# Altium PCB 脑电采集板V5.0.PcbDoc (part 2 of 2)
Units mm, origin at the board's own origin, x right, y up, seen from the top; angles counter-clockwise.
Board outline 80 x 70 mm, 4 copper layers (Top Layer, GND, PWR, Bottom Layer), stack 0.778 mm thick; 160 components, 123 nets, 701 pads, 386 vias.
Unrouted connection lines stored in the file: 114.
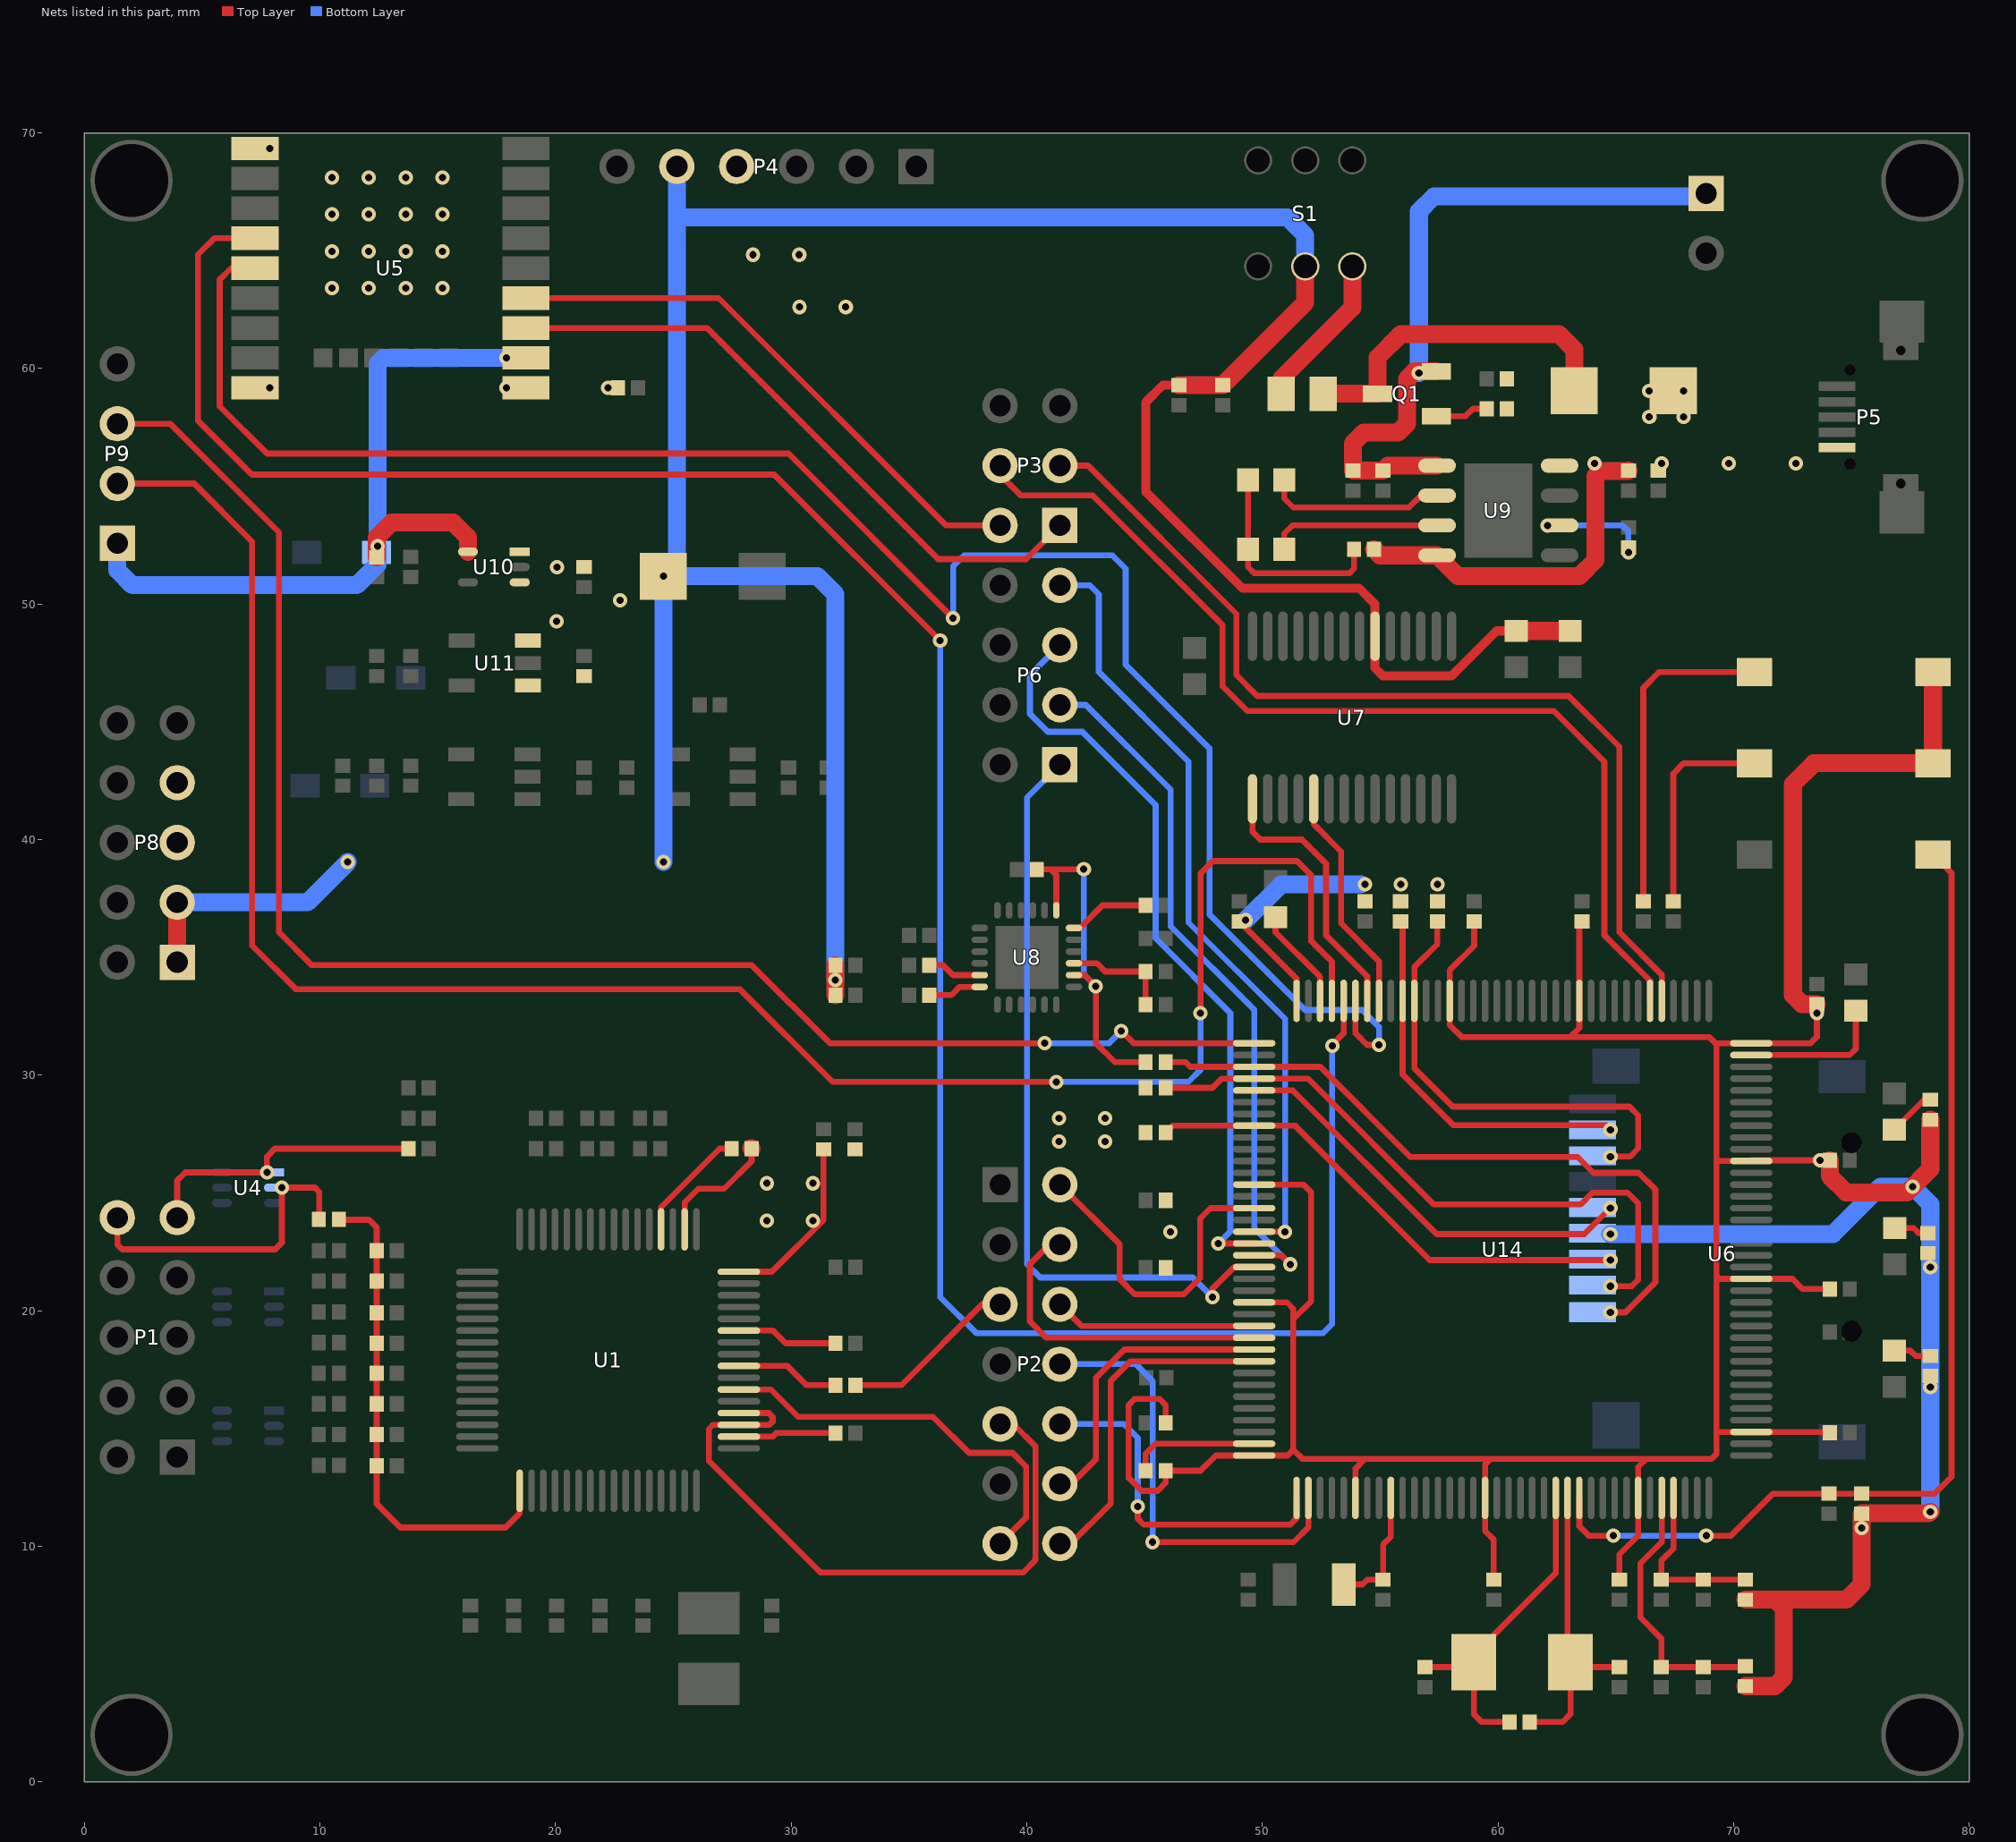
[diagram p4: the nets of this part, all layers, seen from the top]

## Via types
v1: diameter 0.61, hole 0.305, Top Layer to Bottom Layer, tented both sides, 386 vias

## Nets (pads, with @x,y where several pads share a name; then routed paths per layer and width w, separated by ;. In a path a pad name is that pad's centre, name@x,y a point inside that pad or via, vN(x,y) a via of type N, cw(c..) or ccw(c..) an arc to the next point about the centre after c; other vN are vias at no path point) (continued)
NetC53_2: C53.2 U14.9 Y1.2 | length 5.4
  Top Layer w0.254: Y1.2@53.447,8.382 54.248,8.382 54.448,8.582 C53.2@55.118,8.582 55.118,10.068 55.448,10.398 U14.9@55.448,12.056
NetC54_2: C54.2 R38.1 U14.23 Y2.1 | length 14.4
  Top Layer w0.254: C54.2@56.896,4.87 58.764,4.87 Y2.1@58.974,5.08 ; R38.1@60.491,2.54 59.309,2.54 58.974,2.875 Y2.1@58.974,5.08 ; U14.23@62.448,12.056 62.448,8.854 58.974,5.38 Y2.1@58.974,5.08
NetC55_2: C55.2 R38.2 U14.24 Y2.2 | length 13.3
  Top Layer w0.254: R38.2@61.341,2.54 62.738,2.54 63.074,2.876 Y2.2@63.074,5.08 ; U14.24@62.948,12.056 62.948,5.206 Y2.2@63.074,5.08 ; C55.2@65.151,4.87 63.284,4.87 Y2.2@63.074,5.08
NetC56_1: C56.1 C57.1 R40.2 U14.33 | length 7.2
  Top Layer w0.254: U14.33@67.448,12.056 67.448,9.906 66.932,9.39 C57.1@66.932,8.582 R40.2@70.494,8.582
NetC59_2: C59.2 U14.106 | length 4.3
  Top Layer w0.254: C59.2@50.554,36.703 50.554,36.06 52.448,34.166 U14.106@52.448,33.156
NetC62_2: C62.2 U14.71 | length 6.2
  Top Layer w0.254: U14.71@70.748,30.856 74.9,30.856 74.905,30.861 74.93,30.861 75.184,31.115 C62.2@75.184,32.738
NetD1_2: D1.2 F1.1 Q1.3 | length 14.6
  Top Layer w0.762: F1.1@52.579,58.928 Q1.3@54.884,58.928 54.884,60.472 55.88,61.468 62.575,61.468 63.237,60.806 D1.2@63.237,59.055
NetD2_A: D2.A D3.A R33.1 | length 9.2
  Top Layer w0.254: D3.A@49.387,55.272 D2.A@49.387,52.324 49.387,51.578 49.657,51.308 53.689,51.308 53.887,51.506 R33.1@53.887,52.324
NetD2_K: D2.K U9.7 | length 7.3
  Top Layer w0.254: D2.K@50.927,52.324 50.927,53 51.267,53.34 U9.7@57.412,53.34
NetD3_K: D3.K U9.6 | length 7.6
  Top Layer w0.254: D3.K@50.927,55.272 50.927,54.483 51.308,54.102 56.216,54.102 56.724,54.61 U9.6@57.412,54.61
NetD8_A: D8.A R35.2 | length 1.5
  Top Layer w0.254: D8.A@76.835,23.511 77.645,23.511 77.863,23.293 R35.2@78.244,23.293
NetD9_A: D9.A R36.2 | length 1.6
  Top Layer w0.254: D9.A@76.823,18.304 77.5,18.304 77.724,18.08 R36.2@78.347,18.08
NetD10_A: D10.A R37.2 | length 2
  Top Layer w0.254: D10.A@76.823,27.689 78.092,28.958 R37.2@78.347,28.958
NetF1_2: F1.2 S1.1 | length 6.7
  Top Layer w0.762: F1.2@50.799,58.928 50.799,59.562 53.816,62.579 S1.1@53.816,64.334
NetKEY1_2: KEY1.2 R42.1 | length 14.1
  Top Layer w0.254: R42.1@66.167,37.382 66.167,46.443 66.841,47.117 KEY1.2@70.891,47.117
NetKEY2_2: KEY2.2 R44.1 | length 9.1
  Top Layer w0.254: R44.1@67.437,37.381 67.437,42.799 67.881,43.243 KEY2.2@70.891,43.243
NetQ1_1: Q1.1 R31.2 | length 2.3
  Top Layer w0.254: Q1.1@57.384,57.978 58.613,57.978 58.928,58.293 R31.2@59.519,58.293
NetR3_2: R3.2 U1.52 | length 5
  Top Layer w0.254: U1.52@24.475,23.457 24.475,24.392 26.961,26.878 R3.2@27.471,26.878
NetR7_2: R7.2 U1.43 | length 4.3
  Top Layer w0.254: U1.43@27.775,19.157 29.23,19.157 29.769,18.618 R7.2@31.876,18.618
NetR9_2: R9.2 U1.40 | length 4.4
  Top Layer w0.254: U1.40@27.775,17.657 29.841,17.657 30.658,16.84 R9.2@31.876,16.84
NetR11_2: R11.2 U1.34 | length 4.2
  Top Layer w0.254: U1.34@27.775,14.657 29.21,14.657 29.361,14.808 R11.2@31.876,14.808
NetR24_1: R24.1 U8.23 | length 2.3
  Top Layer w0.254: R24.1@35.858,34.671 36.449,34.671 36.87,34.25 U8.23@38,34.25
NetR26_1: R26.1 U8.24 | length 2.3
  Top Layer w0.254: R26.1@35.858,33.401 36.798,33.401 37.147,33.75 U8.24@38,33.75
NetR27_1: R27.1 R29.1 U8.9 | length 4.6
  Top Layer w0.254: U8.9@42,34.75 42.974,34.75 43.32,34.404 R27.1@45.041,34.404 R29.1@45.041,33
NetR28_2: R28.2 U8.12 | length 3.4
  Top Layer w0.254: U8.12@42,36.25 42.252,36.25 43.213,37.211 R28.2@45.041,37.211
NetR32_2: R32.2 U9.2 | length 4.4
  Bottom Layer w0.254: v1(62.103,53.34) 65.278,53.34 65.532,53.086 v1(65.532,52.197)
NetR34_2: R34.2 U14.143 | length 5.5
  Top Layer w0.254: R34.2@45.041,13.208 45.041,13.926 45.471,14.356 U14.143@49.648,14.356
nRF_RX: P3.1 U5.18 | length 27.3
  Top Layer w0.254: U5.18@18.739,61.722 26.416,61.722 36.23,51.908 39.97,51.908 P3.1@41.402,53.34
nRF_TX: P3.2 U5.19 | length 24.1
  Top Layer w0.254: U5.19@18.739,62.992 26.923,62.992 36.575,53.34 P3.2@38.862,53.34
P\W\D\N\: P2.9 U1.35 U1.36 | length 28.7
  Top Layer w0.254: U1.36@27.775,15.657 29.047,15.657 29.21,15.494 29.21,15.293 29.074,15.157 U1.35@27.775,15.157 26.674,15.157 26.503,14.986 26.503,13.629 31.242,8.89 39.839,8.89 40.373,9.423 40.373,14.236 39.416,15.193 P2.9@38.862,15.193
PA11: U5.5 U14.103 | length 80.7
  Top Layer w0.254: U5.5@7.239,64.262 6.223,64.262 5.74,63.779 5.74,58.395 7.747,56.388 29.885,56.388 v1(36.87,49.403) ; U14.103@53.948,33.156 53.948,31.777 54.438,31.287 v1(54.948,31.287)
  Bottom Layer w0.254: v1(36.87,49.403) 36.87,51.602 37.338,52.07 43.629,52.07 44.196,51.503 44.196,47.43 47.752,43.874 47.752,36.83 51.816,32.766 54.229,32.766 54.948,32.047 v1(54.948,31.287) 54.948,31.23 54.94,31.222 v1@54.94,31.287
PA12: U5.4 U14.104 | length 104.4
  Top Layer w0.254: U5.4@7.239,65.532 5.516,65.532 4.816,64.832 4.816,57.795 7.112,55.499 29.271,55.499 v1(36.322,48.448) ; v1(52.959,31.242) 52.959,31.287 53.448,31.776 U14.104@53.448,33.156
  Bottom Layer w0.254: v1(36.322,48.448) 36.322,20.574 37.846,19.05 52.578,19.05 52.959,19.431 v1(52.959,31.242)
PB6: P2.14 U14.136 | length 14.5
  Top Layer w0.254: P2.14@41.402,10.113 41.863,10.113 43.561,11.811 43.561,17.018 44.399,17.856 U14.136@49.648,17.856
PD7: P2.2 U14.123 | length 14
  Top Layer w0.254: P2.2@41.402,25.353 43.942,22.813 43.942,21.336 44.577,20.701 46.661,20.701 47.355,21.395 47.355,23.919 47.792,24.356 U14.123@49.648,24.356
PE2: P2.10 U14.1 | length 14.8
  Top Layer w0.254: v1(44.704,11.684) 44.704,11.176 44.958,10.922 51.181,10.922 51.448,11.189 U14.1@51.448,12.056
  Bottom Layer w0.254: P2.10@41.402,15.193 44.116,15.193 44.704,14.605 v1(44.704,11.684)
PE3: P2.8 U14.2 | length 19.2
  Top Layer w0.254: v1(45.335,10.179) 51.327,10.179 51.948,10.8 U14.2@51.948,12.056
  Bottom Layer w0.254: P2.8@41.402,17.733 44.624,17.733 45.339,17.018 v1@45.339,10.179
PG10: P6.7 U14.125 | length 33.5
  Top Layer w0.254: U14.125@49.648,23.356 v1(50.963,23.356)
  Bottom Layer w0.254: P6.7@41.402,50.8 42.672,50.8 43.053,50.419 43.053,47.117 46.863,43.307 46.863,36.481 50.963,32.381 v1(50.963,23.356)
PG11: P6.5 U14.126 | length 32
  Top Layer w0.254: v1(48.133,22.86) 48.137,22.856 U14.126@49.648,22.856
  Bottom Layer w0.254: P6.5@41.402,48.26 40.132,46.99 40.132,45.339 40.894,44.577 42.358,44.577 45.466,41.469 45.466,35.814 48.641,32.639 48.641,23.368 v1(48.133,22.86)
PG12: P6.3 U14.127 | length 30.1
  Top Layer w0.254: U14.127@49.648,22.356 50.796,22.356 v1(51.181,21.971)
  Bottom Layer w0.254: P6.3@41.402,45.72 42.506,45.72 46.103,42.123 46.103,36.32 49.657,32.766 49.657,23.495 v1(51.181,21.971)
PG13: P6.1 U14.128 | length 32.8
  Top Layer w0.254: v1(47.879,20.574) 47.879,20.94 48.714,21.775 48.796,21.856 U14.128@49.648,21.856
  Bottom Layer w0.254: P6.1@41.402,43.18 40.005,41.783 40.005,21.971 40.564,21.412 47.041,21.412 v1(47.879,20.574)
REF: P1.10 R16.1 U4.2 | length 13.5
  Top Layer w0.254: P1.10@1.397,23.952 1.397,22.813 1.604,22.606 8.101,22.606 8.382,22.887 v1(8.382,25.226) 9.786,25.226 9.962,25.05 R16.1@9.962,23.876
RESET: C58.2 R39.2 RESET.1 U14.25 | length 45
  Top Layer w0.254: U14.25@63.448,12.056 63.448,10.847 63.846,10.449 v1(64.897,10.449) ; v1(68.834,10.449) 69.885,10.449 71.672,12.236 C58.2@74.041,12.236 R39.2@75.438,12.236 78.53,12.236 79.248,12.954 79.248,38.582 RESET.1@78.46,39.37
  Bottom Layer w0.254: v1(64.897,10.449) v1(68.834,10.449)
RFGND: P4.4 R20.2 U5.1 U5.9 U5.16 | length 0.4
  Top Layer w0.254: v1(22.225,59.182) R20.2@22.645,59.182
  other v1: 7.874,59.182 17.907,59.182 30.353,62.611 32.315,62.611 10.499,63.415 12.065,63.415 13.631,63.415 15.198,63.415 28.378,64.832 30.34,64.832 10.499,64.982 12.065,64.982 13.631,64.982 15.198,64.982 10.499,66.548 12.065,66.548 13.631,66.548 15.198,66.548 10.499,68.114 12.065,68.114 13.631,68.114 15.198,68.114 7.874,69.342
RL: P1.9 R4.1 U4.1 | length 12.3
  Top Layer w0.254: P1.9@3.937,23.952 3.937,25.527 4.286,25.876 v1(7.747,25.876) 7.747,26.543 8.082,26.878 R4.1@13.755,26.878
SCLK: P2.5 R9.1 | length 7.6
  Top Layer w0.254: R9.1@32.726,16.84 34.671,16.84 38.104,20.273 P2.5@38.862,20.273
SDIO_CMD: R19.1 U6.3 U14.116 | length 21.4
  Top Layer w0.254: R19.1@45.891,27.559 46.188,27.856 U14.116@49.648,27.856 51.392,27.856 57.099,22.149 v1(64.77,22.149)
SDIO_D0: R21.1 U6.7 U14.98 | length 19.7
  Top Layer w0.254: R21.1@57.426,36.531 57.426,35.569 56.448,34.591 U14.98@56.448,33.156 56.448,30.297 58.078,28.667 65.578,28.667 65.948,28.297 65.948,26.888 65.603,26.543 v1(64.77,26.543)
SDIO_D1: R22.1 U6.8 U14.99 | length 16.3
  Top Layer w0.254: R22.1@55.865,36.531 55.948,36.448 U14.99@55.948,33.156 55.948,30.031 58.098,27.881 64.575,27.881 v1(64.77,27.686)
SDIO_D2: R17.1 U6.1 U14.111 | length 29.4
  Top Layer w0.254: R17.1@45.891,30.556 46.736,30.556 46.936,30.356 U14.111@49.648,30.356 52.448,30.356 56.274,26.53 63.373,26.53 64.047,25.856 65.965,25.856 66.675,25.146 66.675,21.209 65.4,19.934 v1(64.77,19.934)
SDIO_D3: R18.1 U6.2 U14.112 | length 27.4
  Top Layer w0.254: R18.1@45.891,29.464 47.879,29.464 48.271,29.856 U14.112@49.648,29.856 51.932,29.856 57.277,24.511 63.5,24.511 64,25.011 65.494,25.011 65.948,24.557 65.948,21.319 65.67,21.041 v1(64.77,21.041)
SDIO_SCK: U6.5 U14.113 | length 18.1
  Top Layer w0.254: U14.113@49.648,29.356 51.289,29.356 57.389,23.256 63.663,23.256 v1(64.77,24.364)
SPI3_MISO: P2.4 U14.134 | length 13.8
  Top Layer w0.254: P2.4@41.402,22.813 40.97,22.813 40.132,21.975 40.132,19.545 40.821,18.856 U14.134@49.648,18.856
SPI3_MOSI: P2.12 U14.135 | length 12.6
  Top Layer w0.254: P2.12@41.402,12.653 41.903,12.653 42.926,13.676 42.926,17.145 44.137,18.356 U14.135@49.648,18.356
SPI3_SCK: P2.6 U14.133 | length 8.6
  Top Layer w0.254: P2.6@41.402,20.273 42.319,19.356 U14.133@49.648,19.356
SRB1: C12.1 C13.1 C14.1 C15.1 C16.1 C17.1 C18.1 C21.1 R16.2 U1.17 | length 21.2
  Top Layer w0.254: R16.2@10.812,23.876 10.825,23.863 12.078,23.863 12.406,23.535 C21.1@12.406,22.555 C18.1@12.406,21.253 C17.1@12.406,19.916 C16.1@12.406,18.618 C15.1@12.406,17.348 C14.1@12.406,16.046 C12.1@12.406,13.411 12.406,11.807 13.418,10.795 17.869,10.795 18.475,11.401 U1.17@18.475,12.357
START: P2.13 U1.38 | length 17.3
  Top Layer w0.254: U1.38@27.775,16.657 29.139,16.657 30.302,15.494 36.021,15.494 37.545,13.97 39.383,13.97 39.966,13.387 39.966,11.217 P2.13@38.862,10.113
SWCLK: P9.3 U14.109 | length 69.5
  Top Layer w0.254: P9.3@1.397,57.658 3.639,57.658 8.255,53.042 8.255,36.068 9.652,34.671 28.321,34.671 31.636,31.356 v1(40.75,31.356) ; v1(44.009,31.877) 44.53,31.356 U14.109@49.648,31.356
  Bottom Layer w0.254: v1(40.75,31.356) 43.488,31.356 v1(44.009,31.877)
SWDIO: P9.2 U14.105 | length 85.9
  Top Layer w0.254: P9.2@1.397,55.118 4.655,55.118 7.112,52.661 7.112,35.512 8.969,33.655 27.813,33.655 31.75,29.718 v1(41.25,29.718) ; v1(47.371,32.639) 47.371,38.56 47.901,39.091 51.46,39.091 52.07,38.481 52.07,35.694 52.948,34.816 U14.105@52.948,33.156
  Bottom Layer w0.254: v1(41.25,29.718) 46.863,29.718 47.371,30.226 v1(47.371,32.639)
USART1_RX: U7.1 U14.102 | length 11.6
  Top Layer w0.254: U7.1@49.574,41.735 49.574,40.342 49.911,40.005 51.681,40.005 52.705,38.981 52.705,35.941 54.448,34.198 U14.102@54.448,33.156
USART1_TX: U7.5 U14.101 | length 9.7
  Top Layer w0.254: U7.5@52.174,41.735 52.174,40.663 53.34,39.497 53.34,36.449 54.948,34.841 U14.101@54.948,33.156
USART3_RX: P3.4 U14.78 | length 43.6
  Top Layer w0.254: P3.4@38.862,55.88 38.862,55.498 39.75,54.61 42.799,54.61 48.31,49.099 48.31,46.505 49.349,45.466 62.357,45.466 64.516,43.307 64.516,35.941 66.448,34.009 U14.78@66.448,33.156
USART3_TX: P3.3 U14.77 | length 41.7
  Top Layer w0.254: P3.3@41.402,55.88 42.6,55.88 48.895,49.585 48.895,46.99 49.784,46.101 62.992,46.101 65.151,43.942 65.151,36.068 66.948,34.271 U14.77@66.948,33.156
USB_5V: C32.2 C33.2 D1.1 P5.1 R30.1 R31.1 R33.2 U9.4 U9.8 | length 15.2
  Top Layer w0.762: R33.2@54.737,52.324 54.991,52.07 U9.8@57.412,52.07 58.301,51.181 63.444,51.181 64.135,51.872 64.135,55.437 64.352,55.653 65.515,55.653 C32.2@65.532,55.67
  other v1: 64.095,55.976 66.945,55.976 69.794,55.976 72.644,55.976 66.421,57.943 67.881,57.943 66.421,59.055 67.881,59.055
V_BAT: C34.2 C35.2 P7.1 Q1.2 U9.5 | length 30.1
  Top Layer w0.762: Q1.2@57.384,59.878 56.449,59.878 56.134,59.563 56.134,57.658 55.753,57.277 54.291,57.277 53.848,56.834 C34.2@53.848,55.67 C35.2@55.118,55.67 55.328,55.88 U9.5@57.412,55.88
  Bottom Layer w0.762: v1(56.642,59.817) 56.642,66.675 57.277,67.31 68.707,67.31 P7.1@68.834,67.437
VCC: C29.2 C30.2 C36.2 C37.2 C38.2 C41.2 D6.1 P4.5 P8.1 P8.3 R23.1 R25.1 S1.2 U7.20 U10.1 U10.3 U11.1 U11.3 | length 131.3
  Top Layer w0.381: C37.2@46.452,59.293 45.77,59.293 45.041,58.564 45.041,54.781 49.149,50.673 54.102,50.673 54.774,50.001 U7.20@54.774,48.635 54.774,47.291 55.119,46.946 58.023,46.946 59.939,48.861 C29.2@60.769,48.861
  Top Layer w0.762: P8.1@3.937,34.798 P8.3@3.937,37.338 ; R25.1@31.876,33.401 R23.1@31.876,34.671 ; C37.2@46.452,59.293 C36.2@48.31,59.293 51.816,62.799 S1.2@51.816,64.334 ; C29.2@60.769,48.861 C30.2@63.057,48.861
  Bottom Layer w0.762: P8.3@3.937,37.338 9.466,37.338 v1(11.176,39.048) ; v1(24.57,39.048) v1(24.57,51.181) ; P4.5@25.146,68.58 25.146,66.421 ; v1(31.877,34.036) 31.877,50.419 31.115,51.181 v1(24.57,51.181) ; S1.2@51.816,64.334 51.816,65.659 51.054,66.421 25.146,66.421 ; v1(24.57,51.181) 25.146,51.757 25.146,66.421
  other v1: 20.046,49.276 22.733,50.165 20.066,51.562
VCC3.3: C10.1 C11.1 C25.2 C27.1 C39.2 C63.2 C64.2 C65.2 C66.2 C67.2 C68.2 C69.2 C70.2 C71.2 C72.2 C73.2 C74.2 D4.2 KEY1.1 KEY2.1 P8.5 P8.7 P9.1 R3.1 R17.2 R18.2 R19.2 R21.2 R22.2 R34.1 R35.1 R36.1 R37.1 R39.1 R40.1 R41.2 U1.48 U1.50 U5.17 U6.4 U8.8 U8.13 U10.5 U14.6 U14.17 U14.30 U14.39 U14.52 U14.62 U14.72 U14.84 U14.95 U14.108 U14.121 U14.131 U14.144 | length 262.6
  Top Layer w0.254: U1.50@25.475,23.457 25.475,24.595 25.517,24.636 26.062,25.182 27.149,25.182 28.321,26.354 R3.1@28.321,26.878 ; U1.48@27.775,21.657 29.174,21.657 31.369,23.852 C10.1@31.369,26.853 ; C27.1@40.425,38.735 41.021,38.735 ; U8.13@41.25,37 41.25,38.506 41.021,38.735 ; U8.8@42,34.25 42.458,34.25 42.926,33.782 v1(42.926,33.774) 42.926,31.369 43.739,30.556 R17.2@45.041,30.556 ; v1(42.418,38.743) 42.41,38.735 41.021,38.735 ; C73.2@45.891,15.24 45.891,16.002 45.637,16.256 44.577,16.256 44.323,16.002 44.323,12.906 44.872,12.357 45.551,12.357 45.891,12.697 R34.1@45.891,13.208 47.371,13.208 48.019,13.856 U14.144@49.648,13.856 51.067,13.856 51.308,14.097 ; C69.2@49.022,36.532 49.022,36.523 51.448,34.097 U14.108@51.448,33.156 ; U14.131@49.648,20.356 51.038,20.356 51.308,20.086 51.308,19.649 ; U14.121@49.648,25.356 51.733,25.356 52.07,25.019 52.07,20.411 51.308,19.649 ; U14.6@53.948,12.056 53.948,13.308 54.356,13.716 ; C70.2@58.987,36.531 58.987,35.492 57.948,34.453 U14.95@57.948,33.156 57.948,32.131 58.456,31.623 63.074,31.623 ; C67.2@59.817,8.582 59.817,10.287 59.448,10.656 U14.17@59.448,12.056 59.448,13.474 59.69,13.716 ; C63.2@63.564,36.531 63.448,36.415 U14.84@63.448,33.156 63.448,31.997 63.074,31.623 ; C68.2@65.151,8.582 65.151,9.652 65.948,10.449 U14.30@65.948,12.056 65.948,13.37 66.294,13.716 ; C64.2@73.533,33.02 73.533,31.623 73.266,31.356 U14.72@70.748,31.356 69.228,31.356 ; C72.2@74.08,14.827 74.051,14.856 U14.39@70.748,14.856 69.275,14.856 ; C65.2@74.08,20.923 72.93,20.923 72.497,21.356 U14.52@70.748,21.356 69.382,21.356 69.275,21.463 ; C71.2@74.08,26.384 70.776,26.384 U14.62@70.748,26.356 69.275,26.356 ; 51.308,14.097 51.308,19.649 ; 51.308,14.097 51.689,13.716 54.356,13.716 ; 54.356,13.716 59.69,13.716 ; 59.69,13.716 66.294,13.716 ; 63.074,31.623 68.961,31.623 69.228,31.356 ; 66.294,13.716 69.065,13.716 69.275,13.926 69.275,14.856 ; 69.228,31.356 69.275,31.309 69.275,26.356 ; 69.275,14.856 69.275,21.463 ; 69.275,21.463 69.275,26.356
  Top Layer w0.762: C39.2@12.402,51.987 12.402,52.832 13.037,53.467 15.647,53.467 16.276,52.838 U10.5@16.276,52.224 ; R3.1@28.304,26.895 R3.1@28.321,26.878 ; R41.2@70.494,4.064 71.755,4.064 72.136,4.445 72.136,7.366 71.77,7.732 ; R40.1@70.494,7.732 71.77,7.732 ; C64.2@73.533,33.02 72.898,33.02 72.517,33.401 72.517,42.354 73.406,43.243 KEY2.1@78.46,43.243 KEY1.1@78.46,47.117 ; C71.2@74.08,26.384 74.08,25.715 74.776,25.019 77.355,25.019 78.347,26.011 R37.1@78.347,28.108 ; v1(78.347,11.469) 78.281,11.403 75.455,11.403 R39.1@75.438,11.386 75.438,8.382 74.788,7.732 71.77,7.732
  Bottom Layer w0.254: v1(42.418,38.743) 42.418,34.282 v1(42.926,33.774)
  Bottom Layer w0.762: P9.1@1.397,52.578 1.397,51.435 2.032,50.8 11.557,50.8 12.446,51.689 v1(12.446,52.451) ; 12.446,52.832 12.446,60.197 12.701,60.452 v1(17.907,60.452) ; v1(49.276,36.576) 50.8,38.1 v1@54.173,38.1 ; v1(64.77,23.256) 74.214,23.256 76.23,25.273 v1(77.597,25.273) 78.347,24.523 v1(78.347,21.844) v1(78.347,16.764) v1(78.347,11.469)
  other v1: 75.438,10.784 46.101,23.356 28.956,23.819 30.918,23.819 28.956,25.41 30.918,25.41 73.66,26.384 41.364,27.178 43.326,27.178 41.364,28.171 43.326,28.171 73.533,32.639 54.356,38.1 55.865,38.1 57.426,38.1
VREF+: C60.2 C61.2 R41.1 U14.32 | length 11.5
  Top Layer w0.254: U14.32@66.948,12.056 66.948,10.179 66.04,9.271 66.04,6.985 66.932,6.093 C60.2@66.932,4.87 C61.2@68.713,4.87 70.45,4.87 R41.1@70.494,4.914
pads on no net: P4.1 P4.6 P5. P5.4 P5.6 S1.3 S1.4 S1.5 S1.6 U1.1 U1.3 U1.5 U1.7 U1.9 U1.11 U1.13 U1.15 U1.18 U1.27 U1.29 U1.37 U1.42 U1.44 U1.45 U1.46 U1.60 U1.64 U2.6 U3.6 U4.4 U4.5 U4.6 U5.2 U5.3 U5.6 U5.7 U5.8 U5.10 U5.11 U5.12 U5.13 U5.14 U5.15 U5.20 U5.21 U5.22 U5.23 U5.24 U6.0 U6.9 U6.10 U6.11 U6.12 U6.13 U7.2 U7.3 U7.6 U7.8 U7.9 U7.10 U7.11 U7.12 U7.13 U7.14 U7.19 U7.22 U7.23 U7.24 U7.27 U7.28 U8.0 U8.2 U8.3 U8.4 U8.5 U8.6 U8.7 U8.14 U8.15 U8.16 U8.17 U8.19 U8.21 U8.22 U9.0 U14.3 U14.4 U14.5 U14.7 U14.10 U14.11 U14.12 U14.13 U14.14 U14.15 U14.18 U14.19 U14.20 U14.21 U14.22 U14.26 U14.27 U14.28 U14.29 U14.34 U14.35 U14.36 U14.37 U14.40 U14.41 U14.42 U14.43 U14.44 U14.45 U14.46 U14.47 U14.49 U14.50 U14.53 U14.54 U14.55 U14.58 U14.59 U14.60 U14.63 U14.64 U14.65 U14.66 U14.67 U14.68 U14.69 U14.70 U14.73 U14.74 U14.79 U14.80 U14.81 U14.82 U14.85 U14.86 U14.87 U14.88 U14.89 U14.90 U14.91 U14.92 U14.93 U14.96 U14.97 U14.100 U14.110 U14.114 U14.115 U14.117 U14.118 U14.119 U14.122 U14.124 U14.129 U14.132 U14.137 U14.139 U14.140 U14.141 U14.142

## Polygon pours and split planes (outlines as drawn)
AGND on Top Layer "Top Layer-AGND" (solid, remove dead copper, pour order 46): 3.556,60.96 3.556,56.217 3.639,56.134 23.368,56.134 23.368,59.436 23.494,59.562 37.147,59.562 37.084,59.625 37.084,70 80,70 80,0 15.999,0 15.999,0.569 15.999,6.731 16.126,6.858 32.512,6.858 32.512,31.97 32.478,32.004 19.558,32.004 19.558,24.765 19.53,24.737 9.398,24.737 9.271,24.61 9.271,12.192 0,12.192 0,60.96
RFGND on Top Layer "Top Layer-RFGND" (solid, remove dead copper, pour order 44): 0,61.468 3.962,61.468 3.962,56.642 22.859,56.642 22.86,60.071 36.639,60.071 36.703,60.134 36.703,70 0,70
DGND on Top Layer "Top Layer-DGND" (solid, remove dead copper, pour order 36): 0,11.684 9.779,11.684 9.779,24.25 20.066,24.257 20.066,31.496 32.004,31.496 32.004,7.317 31.955,7.366 15.462,7.366 15.494,7.334 15.494,0 0,0
AVSS on Top Layer "Top Layer-AVSS 1" (solid, remove dead copper, pour order 18): 19.168,6.985 19.168,5.715 24.003,5.715 24.257,5.461 24.257,2.794 29.11,2.794 29.885,3.569 29.885,6.985
VCC on Top Layer "Top Layer-VCC" (solid, remove dead copper, pour order 8): 17.907,52.578 17.907,46.101 18.034,45.974 22.606,45.974 23.368,46.736 23.368,49.784 23.749,50.165 25.654,50.165 25.654,52.324 25.4,52.578
VCC3.3 on Top Layer "Top Layer-VCC3.3" (solid, remove dead copper, pour order 24): 0.482,38.656 5.181,38.656 5.181,50.953 1.905,54.229 0.482,54.229
AVSS on Top Layer "Top Layer-AVSS" (solid, remove dead copper, pour order 16): 21.877,28.956 21.877,26.129 22.352,25.654 23.337,25.654 23.975,26.292 23.975,29.022 21.844,29.022
AVDD on Top Layer "Top Layer-AVDD" (solid, remove dead copper, pour order 14): 19.685,28.958 19.685,26.035 20.193,25.527 21.209,25.527 21.686,26.035 21.686,26.193 21.686,28.856 21.584,28.958
VCC3.3 on Top Layer "Top Layer-VCC3.3 1" (solid, remove dead copper, pour order 32): 27.955,27.305 35.177,27.305 36.83,28.958 45.41,28.958 45.439,28.987 45.466,28.959 45.466,26.802 45.194,26.53 37.96,26.53 34.29,22.86 28.702,22.86 27.955,23.607
AVDD on Top Layer "Top Layer-AVDD 1" (solid, remove dead copper, pour order 20): 15.621,7.164 19.05,7.164 19.203,7.317 19.203,8.916 20.32,10.033 20.32,10.076 19.99,11.049 16.256,11.049 15.621,10.414
VCC3.3 on Top Layer "Top Layer-VCC3.3 2" (solid, remove dead copper, pour order 12): 44.323,31.242 44.323,21.082 46.482,21.082 46.736,21.336 46.736,25.146 50.427,25.146 50.554,25.273 50.546,25.281 50.546,25.527 48.387,25.527 47.117,26.797 45.471,26.797 45.466,26.802 45.466,31.242
VCC3.3 on Top Layer "Top Layer-VCC3.3 3" (solid, remove dead copper, pour order 10): 53.721,38.481 53.721,36.957 58.166,36.957 58.166,35.687 58.293,35.56 64.008,35.56 64.008,38.481
USB_5V on Top Layer "Top Layer-USB_5V" (solid, remove dead copper, pour order 2): 75.184,56.896 69.469,56.896 68.961,57.404 68.961,60.198 65.575,60.198 65.278,59.901 65.278,57.404 61.722,57.404 61.595,57.531 61.595,60.071 61.468,60.198 60.012,60.198 60.012,56.829 60.326,56.515 61.849,56.515 61.849,55.437 62.041,55.245 75.184,55.245
AGND on Bottom Layer "Bottom Layer-AGND" (solid, remove dead copper, pour order 54): 3.556,60.96 3.556,56.217 3.639,56.134 23.368,56.134 23.368,59.436 23.494,59.562 37.147,59.562 37.084,59.625 37.084,70 80,70 80,0 15.999,0 15.999,0.569 15.999,6.731 16.126,6.858 32.512,6.858 32.512,31.97 32.478,32.004 19.558,32.004 19.558,24.765 19.53,24.737 9.398,24.737 9.271,24.61 9.271,12.192 0,12.192 0,60.96
DGND on Bottom Layer "Bottom Layer-DGND" (solid, remove dead copper, pour order 56): 0,11.684 9.779,11.684 9.779,24.25 20.066,24.257 20.066,31.496 32.004,31.496 32.004,7.317 31.955,7.366 15.462,7.366 15.494,7.334 15.494,0 0,0
RFGND on Bottom Layer "Bottom Layer-RFGND" (solid, remove dead copper, pour order 52): 0,61.468 3.962,61.468 3.962,56.642 22.859,56.642 22.86,60.071 36.639,60.071 36.703,60.134 36.703,70 0,70
AGND on GND (split plane): 79.49,0.51 16.004,0.51 16.004,6.856 32.258,6.856 32.324,6.865 32.386,6.89 32.439,6.931 32.48,6.984 32.505,7.046 32.514,7.112 32.514,31.75 32.505,31.816 32.48,31.878 32.439,31.931 32.386,31.972 32.324,31.997 32.258,32.006 19.812,32.006 19.746,31.997 19.684,31.972 19.631,31.931 19.59,31.878 19.565,31.816 19.556,31.75 19.556,24.767 9.525,24.767 9.459,24.758 9.397,24.733 9.344,24.692 9.303,24.639 9.278,24.577 9.269,24.511 9.269,12.194 0.51,12.194 0.51,60.958 3.427,60.958 3.427,56.413 3.436,56.347 3.461,56.285 3.502,56.232 3.555,56.191 3.617,56.166 3.683,56.157 23.114,56.157 23.18,56.166 23.242,56.191 23.295,56.232 23.336,56.285 23.361,56.347 23.37,56.413 23.37,59.561 36.87,59.561 36.936,59.57 36.998,59.595 37.051,59.636 37.092,59.689 37.117,59.751 37.126,59.817 37.126,69.49 79.49,69.49
DGND on GND (split plane): 32.002,7.368 15.748,7.368 15.682,7.359 15.62,7.334 15.567,7.293 15.526,7.24 15.501,7.178 15.492,7.112 15.492,0.51 0.51,0.51 0.51,11.682 9.525,11.682 9.591,11.691 9.653,11.716 9.706,11.757 9.747,11.81 9.772,11.872 9.781,11.938 9.781,24.255 19.812,24.255 19.878,24.264 19.94,24.289 19.993,24.33 20.034,24.383 20.059,24.445 20.068,24.511 20.068,31.494 32.002,31.494
RFGND on GND (split plane): 36.614,60.073 23.114,60.073 23.048,60.064 22.986,60.039 22.933,59.998 22.892,59.945 22.867,59.883 22.858,59.817 22.858,56.669 3.939,56.669 3.939,61.214 3.93,61.28 3.905,61.342 3.864,61.395 3.811,61.436 3.749,61.461 3.683,61.47 0.51,61.47 0.51,69.49 36.614,69.49
VCC3.3 on PWR (split plane): 20.318,56.367 17.091,53.14 17.05,53.087 17.025,53.025 17.016,52.959 17.016,50.421 8.382,50.421 8.316,50.412 8.254,50.387 8.201,50.346 8.16,50.293 8.135,50.231 8.126,50.165 8.126,36.068 8.135,36.002 8.16,35.94 8.201,35.887 9.344,34.744 9.397,34.703 9.459,34.678 9.525,34.669 28.088,34.669 31.442,31.315 31.495,31.274 31.557,31.249 31.623,31.24 34.036,31.24 34.102,31.249 34.164,31.274 34.217,31.315 34.258,31.368 34.283,31.43 34.292,31.496 34.292,45.464 72.644,45.464 72.71,45.473 72.772,45.498 72.825,45.539 72.866,45.592 72.891,45.654 72.9,45.72 72.9,48.893 79.49,48.893 79.49,0.51 32.514,0.51 32.514,8.763 32.505,8.829 32.48,8.891 32.439,8.944 25.021,16.362 25.021,29.718 25.012,29.784 24.987,29.846 24.946,29.899 24.893,29.94 24.831,29.965 24.765,29.974 15.748,29.974 15.682,29.965 15.62,29.94 15.567,29.899 15.526,29.846 15.501,29.784 15.492,29.718 15.492,0.51 0.51,0.51 0.51,69.49 20.318,69.49
AVDD on PWR (split plane): 17.016,45.087 8.638,45.087 8.638,49.909 17.016,49.909
AVSS on PWR (split plane): 17.016,40.515 8.638,40.515 8.638,44.575 17.016,44.575
AVDD on PWR (split plane): 21.461,7.419 19.168,7.419 19.102,7.41 19.04,7.385 18.987,7.344 18.946,7.291 18.921,7.229 18.912,7.163 18.912,0.51 16.004,0.51 16.004,29.462 21.461,29.462
AVSS on PWR (split plane): 24.509,16.256 24.518,16.19 24.543,16.128 24.584,16.075 32.002,8.657 32.002,0.51 19.424,0.51 19.424,6.907 21.717,6.907 21.783,6.915 21.845,6.941 21.898,6.982 21.939,7.035 21.964,7.096 21.973,7.163 21.973,29.462 24.509,29.462
VCC on PWR (split plane): 52.703,51.943 52.712,51.877 52.737,51.815 52.778,51.762 53.413,51.127 53.466,51.086 53.51,51.068 53.528,51.061 53.594,51.052 56.536,51.052 57.858,49.73 57.911,49.689 57.955,49.671 57.973,49.664 58.039,49.655 71.776,49.655 72.388,49.043 72.388,45.976 34.097,45.976 34.03,45.967 33.969,45.942 33.916,45.901 33.855,45.84 33.814,45.787 33.789,45.726 33.78,45.659 33.78,31.752 31.729,31.752 28.375,35.106 28.322,35.147 28.26,35.172 28.194,35.181 9.631,35.181 8.638,36.174 8.638,40.003 17.272,40.003 17.338,40.012 17.4,40.037 17.453,40.078 17.494,40.131 17.519,40.193 17.528,40.259 17.528,50.165 17.528,52.853 20.755,56.08 20.796,56.133 20.803,56.151 20.821,56.195 20.83,56.261 20.83,69.49 52.703,69.49
USB_5V on PWR (split plane): 79.49,49.405 72.75,49.405 72.063,50.092 72.01,50.133 71.948,50.158 71.882,50.167 58.145,50.167 56.823,51.489 56.77,51.53 56.708,51.555 56.642,51.564 53.7,51.564 53.215,52.049 53.215,69.49 79.49,69.49

## Other copper
Top Layer:
  pour cut-out: 37.258,12.368 37.258,9.224 37.338,9.144 37.369,9.175 38.437,9.175 39.681,10.419 39.681,12.03 39.343,12.368 37.258,12.368
  pour cut-out: 0,46.038 0.482,46.038 0.482,54.04 2.185,55.743 2.185,56.572 3.556,57.943 3.556,60.96 0,60.96
  pour cut-out: 61.468,60.363 61.679,60.363 61.639,60.323 61.508,60.323
  pour cut-out: 61.411,60.768
  pour cut-out: 58.162,58.263 58.495,58.263 58.788,58.556 59.045,58.556 59.067,58.578 59.067,58.77 58.184,58.77 58.162,58.793
  pour cut-out: 29.885,42.755 29.885,43.206 27.42,45.67 27.241,45.491 27.241,44.074 27.427,44.074 28.829,42.672 28.87,42.713 30.077,42.713
  pour cut-out: 28.645,41.27 33.264,41.27 35.438,43.443 34.163,43.443 33.075,42.355 33.075,41.789 29.126,41.789 28.772,42.143 28.72,42.09 28.645,42.09
  pour cut-out: 60.294,8.13 60.294,10.965 60.264,10.935 59.163,10.935 59.163,8.126 59.17,8.119
  pour cut-out: 64.679,51.872 64.679,50.658 64.439,50.419 63.754,50.419 63.754,51.039 63.739,51.054 64.349,51.664 64.516,51.664
  pour cut-out: 42.458,32.508 42.529,32.438 32.679,32.438 33.109,32.868 33.109,33.073 33.544,33.508 38.956,33.508 38.956,32.694 39.142,32.508
  pour cut-out: 13.303,29.941 13.303,27.163 15.03,27.163 15.057,27.135 15.057,29.941
  pour cut-out: 2.244,55.463 2.185,55.522 2.185,55.573 2.244,55.515 2.227,55.498 2.227,55.473
  pour cut-out: 2.185,57.203 2.228,57.246 2.623,57.246 2.623,57.367 2.617,57.373 2.256,57.373 2.256,57.273 2.185,57.203
  pour cut-out: 42.6,56.165 44.608,56.165 44.704,56.261 44.794,56.171 44.794,54.534 49.036,50.292 50.49,50.292 50.49,46.439 50.165,46.765 49.325,46.765 49.325,47.367 48.768,47.923 48.768,49.973 48.727,49.973 42.725,55.976
  pour cut-out: 37.973,59.208 37.973,42.541 38.237,42.278 42.304,42.278 42.304,59.166 42.037,59.433 38.055,59.433
  pour cut-out: 28.448,35.112 30.362,35.112 30.533,35.283 30.533,33.243 31.4,32.376 32.587,32.376 32.587,31.715 32.512,31.641 31.723,31.641 28.43,34.934
  pour cut-out: 2.185,57.203 2.185,55.573 2.405,55.354 3.81,55.354 3.81,57.084 3.556,57.338
  pour cut-out: -0.127,26.289 7.409,26.289 9.335,24.363 9.335,12.371 8.771,11.807 8.387,12.192 0,12.192 0,26.129
  pour cut-out: 6.291,18.365 6.34,18.365 5.99,18.714 5.942,18.666 5.873,18.666 5.873,17.947
  pour cut-out: 54.415,49.485 54.415,46.185 54.498,46.101 59.563,46.101 59.563,48.141
  pour cut-out: 71.794,43.996 72.002,43.787 73.239,43.787 71.943,42.491 71.794,42.491
  pour cut-out: 73.123,33.564 73.332,33.355 75.826,33.355 75.826,32.121 74.899,32.121 74.899,31.233 74.776,31.356 72.136,31.356 71.973,31.519 71.973,33.401 72.96,33.401
  pour cut-out: 75.977,21.308 78.912,21.308 79.004,21.401 78.963,21.442 78.963,25.762 78.459,25.762 77.214,24.517 74.568,24.517 73.578,25.507 73.578,24.164 73.533,24.119 76.032,21.621 76.032,21.408
  pour cut-out: 52.448,32.098 52.448,30.482 52.659,30.271 53.122,30.734 55.663,30.734 55.663,32.281 55.574,32.192 52.634,32.192
  pour cut-out: 43.247,32.282 44.214,32.282 44.44,32.055 44.427,32.043 44.427,30.641 43.654,30.641 43.104,31.191 43.104,32.385
  pour cut-out: 41.535,38.45 42.241,38.45 43.12,37.571 42.6,37.051 42.6,32.438 41.602,32.438 41.461,32.579 41.535,32.653
  pour cut-out: 35.306,36.449 38.842,36.449 39.039,36.646 39.039,37.421 39.876,38.258 40.877,38.258 40.927,38.208 40.927,37.538 40.501,37.538 37.348,34.386 35.813,34.386 35.306,34.894
  pour cut-out: 32.512,20.351 37.514,25.353 38.055,25.353 38.055,26.175 37.846,26.384 34.322,22.86 32.677,22.86 32.385,22.568 32.385,20.657
  pour cut-out: 54.099,8.097 54.132,8.13 55.595,8.13 55.733,8.267 55.733,10.935 62.163,10.935 62.103,10.995 62.103,11.217 54.265,11.217 53.848,10.8 54.099,10.549
  pour cut-out: 50.295,9.434 50.295,9.906 50.799,9.906 50.799,9.617 50.617,9.434
  pour cut-out: 76.037,52.841 75.293,53.584 75.293,53.63 75.324,53.63 75.919,54.225 76.013,54.131 76.013,53.053
  pour cut-out: 48.77,52.966 47.362,52.966 48.602,51.726 48.77,51.726
  pour cut-out: 49.242,41.709 49.242,39.256 49.408,39.091 51.826,39.091 52.174,38.743 52.528,38.743 52.528,38.755 51.278,40.005 50.165,40.005 50.165,40.671 49.18,41.656
  pour cut-out: 46.343,27.571 50.769,27.571 50.664,27.466 50.664,25.641 48.373,25.641 48.345,25.613 47.161,26.797 46.294,26.797 46.294,27.522
  pour cut-out: 46.661,20.416 46.683,20.394 46.683,19.558 48.438,19.558 48.56,19.679 50.935,19.679 51.785,20.529 51.785,24.901 51.615,25.071 50.577,25.071 50.577,21.349 49.379,22.546 47.64,22.546 47.64,21.395
  pour cut-out: 63.846,25.655 63.846,19.403 63.799,19.356 65.194,19.356 66.96,21.122 66.96,26.691 66.929,26.721 65.067,26.721 63.938,25.593
  pour cut-out: 52.338,29.853 57.395,24.796 57.512,24.912 57.512,26.289 57.489,26.267 56.104,26.267 52.38,29.991
  pour cut-out: 58.098,27.596 58.098,26.891 58.196,26.793 63.482,26.793 64.134,26.141 66.083,26.141 66.166,26.057 66.211,26.102 66.211,28.406 58.204,28.406 58.062,28.265 58.062,26.878
  pour cut-out: 45.593,58.735 49.982,58.735 50.061,58.656 53.437,62.031 53.437,64.991 52.195,64.991 52.195,62.714 52.318,62.591 48.791,59.064 45.933,59.064 45.72,58.851
  pour cut-out: 56.343,54.229 51.775,54.229 51.267,54.737 51.267,55.637 51.544,55.915 51.579,55.88 55.889,55.88 56.261,55.508
  pour cut-out: 69.088,54.737 74.576,54.737 75.057,55.218 75.03,55.245 69.126,55.245
  pour cut-out: 61.687,60.924 68.468,60.924 69.029,60.363 65.575,60.363 65.113,59.901 65.113,57.569 61.709,57.569
  pour cut-out: 55.812,62.103 55.685,62.23 54.012,62.23 54.012,61.827 52.001,59.815 53.311,59.815 53.227,59.731 53.227,59.51 54.302,59.51 54.34,59.472 54.34,60.639 55.672,61.97
  pour cut-out: 58.383,47.966 59.896,49.479 63.699,49.479 63.699,49.839 63.627,49.911 63.342,49.626 58.474,49.626
  pour cut-out: 57.831,47.353 55.163,47.353 54.801,47.715 54.801,50.35 54.647,50.35 53.689,51.308 53.887,51.506 53.887,52.324 57.445,52.324 57.897,51.872 57.894,51.869 57.894,50.658 57.876,50.658 57.19,49.973 57.831,49.332
  pour cut-out: 53.616,36.83 67.365,36.83 69.275,34.92 69.275,31.567 58.915,31.567 56.237,34.244 55.271,34.244 53.625,35.891 53.625,36.728
  pour cut-out: 77.87,29.41 77.923,29.464 78.963,29.464 78.963,28.494 78.931,28.462 78.824,28.462 78.824,29.41
  pour cut-out: 77.465,27.072 77.777,27.072 77.851,27.145 77.851,28.049 77.645,28.255 77.439,28.049 77.439,27.305
  pour cut-out: 76.193,21.354 76.193,21.785 76.2,21.793 76.103,21.793 74.324,23.571 74.166,23.571 74.166,23.445 74.051,23.33 75.918,21.463 75.977,21.463 76.086,21.354
  pour cut-out: 77.465,16.147 77.476,16.157 78.994,16.157 78.994,18.939 78.963,18.97 75.915,18.97 75.915,16.154 75.94,16.129 75.958,16.147
  pour cut-out: 71.65,26.099 71.65,15.406 71.789,15.268 71.7,15.179 69.215,15.179 69.215,25.726 69.588,26.099
  pour cut-out: 66.455,8.13 66.244,8.13 66.211,8.097 65.236,9.072 65.236,13.166 65.786,13.716 65.987,13.515 69.266,13.515 69.19,13.439 69.19,8.13 69.128,8.192 66.52,8.192
  pour cut-out: 58.941,10.935 59.163,11.157 59.163,13.431 59.102,13.37 54.36,13.37 54.36,13.137 54.333,13.111 54.417,13.027 58.659,13.027 58.659,11.383 58.746,11.296 58.385,10.935
  pour cut-out: 39.948,8.627 44.427,8.627 48.677,12.877 48.677,16.637 47.458,17.856 44.315,17.856 43.561,17.102 43.561,12.327 39.839,8.605
  pour cut-out: 55.59,59.43 56.876,58.144 58.162,58.144 58.162,60.876 58.023,61.014 56.195,61.014 55.428,60.247 55.428,59.538 55.326,59.436 55.332,59.43
  pour cut-out: 51.531,58.041 53.311,58.041 53.437,57.915 53.437,56.769 55.753,56.769 56.007,57.023 55.749,57.281 55.749,58.801 52.607,58.801 51.847,58.041 51.847,59.661 51.667,59.661 51.531,59.525 51.569,59.487 51.569,58.263
  pour cut-out: 50.004,55.915 50.004,54.63 49.672,54.63 49.606,54.564 49.606,51.726 50.517,51.726 50.8,51.444 51.065,51.709 51.065,53.541 58.737,53.541 58.556,53.722 58.556,56.081 56.434,56.081 56.105,55.753 56.105,54.059 56.062,54.102 51.308,54.102 50.31,55.1 50.31,55.915
  pour cut-out: 67.629,34.93 67.629,43.363 67.772,43.507 65.847,43.507 65.847,46.408 65.882,46.443 63.049,46.443 62.992,46.386 63.05,46.386 65.354,44.082 65.354,36.268 66.74,34.881 67.502,34.881
  pour cut-out: 51.334,32.121 52.562,32.121 52.705,32.263 52.705,37.338 51.214,37.338 51.153,37.277 49.53,37.277 49.53,36.284 51.647,34.167 51.647,32.297 51.448,32.098
  pour cut-out: 7.23,55.784 29.358,55.784 29.38,55.762 29.709,55.762 36.83,48.641 37.2,49.011 37.2,49.073 30.148,56.125 6.994,56.125 6.858,56.261
  pour cut-out: 8.54,53.042 8.54,55.245 7.012,55.245 7.003,55.236 6.105,56.134 5.801,56.134 5.683,56.017 8.518,53.182 8.518,53.151
  pour cut-out: 19.501,43.216 19.959,42.758 23.786,42.758 23.817,42.79 23.867,42.74 23.867,41.801 23.987,41.801 24.406,41.382 24.228,41.204 24.228,41.184 23.531,41.881 23.531,42.637 23.496,42.672 19.906,42.672
  pour cut-out: 5.489,38.504 -0.023,38.504 -0.127,38.608 0,38.735 0,46.038 2.276,46.037 2.276,39.234 5.228,39.234 5.473,38.99 5.461,38.977 5.461,38.656
  pour cut-out: 3.962,61.468 4.426,61.468 4.553,61.341 4.553,57.655 5.566,56.642 5.588,56.642 5.557,56.673 4.816,56.673 3.962,57.527
  pour cut-out: 24.298,22.369 24.416,22.486 25.686,22.486 25.686,24.545 25.75,24.61 24.868,24.61 24.638,24.38 24.638,22.695 24.618,22.695 24.441,22.517
  pour cut-out: 15.801,21.932 15.126,21.932 13.078,23.981 13.078,24.34 12.054,24.34 11.998,24.284 12.691,23.59 12.691,23.032 13.549,23.032 13.589,23.073 13.755,22.907 13.755,22.695 14.288,22.695 14.349,22.756 15.439,21.667 15.778,21.667 15.848,21.737
  pour cut-out: 26.683,22.025 26.696,22.012 26.696,15.488 26.702,15.494 32.004,15.494 32.004,18.141 31.811,18.333 29.651,18.333 29.112,18.872 28.225,18.872 28.067,18.714 26.901,19.881 26.901,21.932 26.809,21.932 26.717,22.025
  pour cut-out: 22.863,13.487 22.934,13.558 25.623,13.558 25.623,9.887 26.208,9.302 25.623,9.302 24.975,9.95 25.089,10.064 25.089,13.392 24.88,13.184 22.987,13.184 22.987,13.237 22.733,13.491
  pour cut-out: 9.779,11.684 12.128,11.684 12.143,11.698 12.143,23.676 11.853,23.386 9.779,23.386
GND (plane layer: these items are gaps in the copper):
  lines w0.508: 0,11.938 9.525,11.938 9.525,24.511 19.812,24.511 19.812,31.75 32.258,31.75 32.258,7.112 15.748,7.112 15.748,0 ; 0.51,61.214 3.683,61.214 3.683,56.413 23.114,56.413 23.114,59.817 36.87,59.817 36.87,69.937
PWR (plane layer: these items are gaps in the copper):
  lines w0.508: 0.15,69.85 0,70 0,38.862 0.254,38.608 ; 8.509,44.831 17.272,44.831 ; 8.636,40.259 17.272,40.259 17.272,50.165 ; 15.748,0 15.748,29.718 24.765,29.718 24.765,16.256 32.258,8.763 32.258,0 80,0 80,49.022 79.873,49.149 72.644,49.149 ; 19.168,0.118 19.168,7.163 21.717,7.163 21.717,29.718 ; 20.574,70 20.574,56.261 17.272,52.959 17.272,50.165 ; 52.959,70 52.959,51.943 53.594,51.308 56.642,51.308 58.039,49.911 71.882,49.911 72.644,49.149 ; 17.272,50.165 8.382,50.165 8.382,36.068 9.525,34.925 28.194,34.925 31.623,31.496 34.036,31.496 34.036,45.659 34.097,45.72 72.644,45.72 72.644,49.149

## Silkscreen, mask and mechanical layers (free items; w line width, h text height)
Top Overlay:
  text "VCC" at 25.908,66.929 h0.64 r180
  text "GND" at 28.448,66.929 h0.64 r180
  text "TX" at 30.734,66.929 h0.64 r180
  text "RX" at 33.274,66.929 h0.64 r180
  text "GND" at 3.048,60.96 h0.64 r270
  text "CLK" at 3.048,58.42 h0.64 r270
  text "HCT" at 37.211,57.652 h0.64 r90
  text "HCR" at 43.688,57.652 h0.64 r90
  text "DIO" at 3.048,55.88 h0.64 r270
  text "U3R" at 37.211,55.07 h0.64 r90
  text "U3T" at 43.688,55.07 h0.64 r90
  text "3V3" at 3.048,53.34 h0.64 r270
  text "RFT" at 37.211,52.488 h0.64 r90
  text "RFR" at 43.688,52.488 h0.64 r90
  text "AD0" at 37.211,50.032 h0.64 r90
  text "PG10" at 43.688,49.784 h0.64 r90
  text "INT" at 37.211,47.45 h0.64 r90
  text "PG11" at 43.688,47.15 h0.64 r90
  text "AVSS" at 5.461,46.101 h0.64 r270
  text "AVDD" at 6.35,46.075 h0.64 r270
  text "SCL" at 37.211,44.868 h0.64 r90
  text "PG12" at 43.688,44.515 h0.64 r90
  text "GND" at 5.461,43.18 h0.64 r270
  text "3V3" at 6.35,43.18 h0.64 r270
  text "SDA" at 37.211,42.328 h0.64 r90
  text "PG13" at 43.688,41.881 h0.64 r90
  text "GND" at 5.461,40.64 h0.64 r270
  text "3V3" at 6.35,40.64 h0.64 r270
  text "GND" at 5.461,38.1 h0.64 r270
  text "VCC" at 6.35,38.1 h0.64 r270
  text "GND" at 5.461,35.56 h0.64 r270
  text "VCC" at 6.35,35.56 h0.64 r270
  text "REF" at 5.461,24.831 h0.64 r270
  text "DRDY" at 37.211,24.585 h0.64 r90
  text "PD7" at 43.688,24.585 h0.64 r90
  text "RL" at 6.35,24.511 h0.64 r270
  text "CH7" at 5.461,22.291 h0.64 r270
  text "CH8" at 6.35,22.291 h0.64 r270
  text "PB4" at 43.688,22.033 h0.64 r90
  text "DOUT" at 37.211,21.844 h0.64 r90
  text "CH5" at 5.461,19.751 h0.64 r270
  text "CH6" at 6.35,19.751 h0.64 r270
  text "PB3" at 43.688,19.481 h0.64 r90
  text "SCLK" at 37.211,19.05 h0.64 r90
  text "CS" at 37.211,17.272 h0.64 r90
  text "CH3" at 5.461,17.211 h0.64 r270
  text "CH4" at 6.35,17.211 h0.64 r270
  text "PE3" at 43.688,16.928 h0.64 r90
  text "CH1" at 5.461,14.671 h0.64 r270
  text "CH2" at 6.35,14.671 h0.64 r270
  text "PE2" at 43.688,14.376 h0.64 r90
  text "PWDN" at 37.211,14.256 h0.64 r90
  text "DIN" at 37.211,11.823 h0.64 r90
  text "PB5" at 43.688,11.823 h0.64 r90
  text "PB6" at 43.688,9.271 h0.64 r90
  text "STAR" at 37.211,8.827 h0.64 r90
Bottom Overlay:
  text "+" at 70.358,67.183 h1.02 r270
  text "-" at 70.358,64.516 h1.02 r270
Mechanical 1:
  the board outline again, w0.254

## Dimensions
0,0 to 0,70 on Mechanical 1
0,0 to 80,0 on Mechanical 1

## Text inside footprints (layer, text, board x,y; h text height)
P5: Top Overlay "+" at 74.239,54.643 h1 r90